# KiCad board solar-module-1u-si.kicad_pcb
title: OreSat Solar Module - Silicon Cells + MCXN; date: 2025-09-23; rev: 1.1
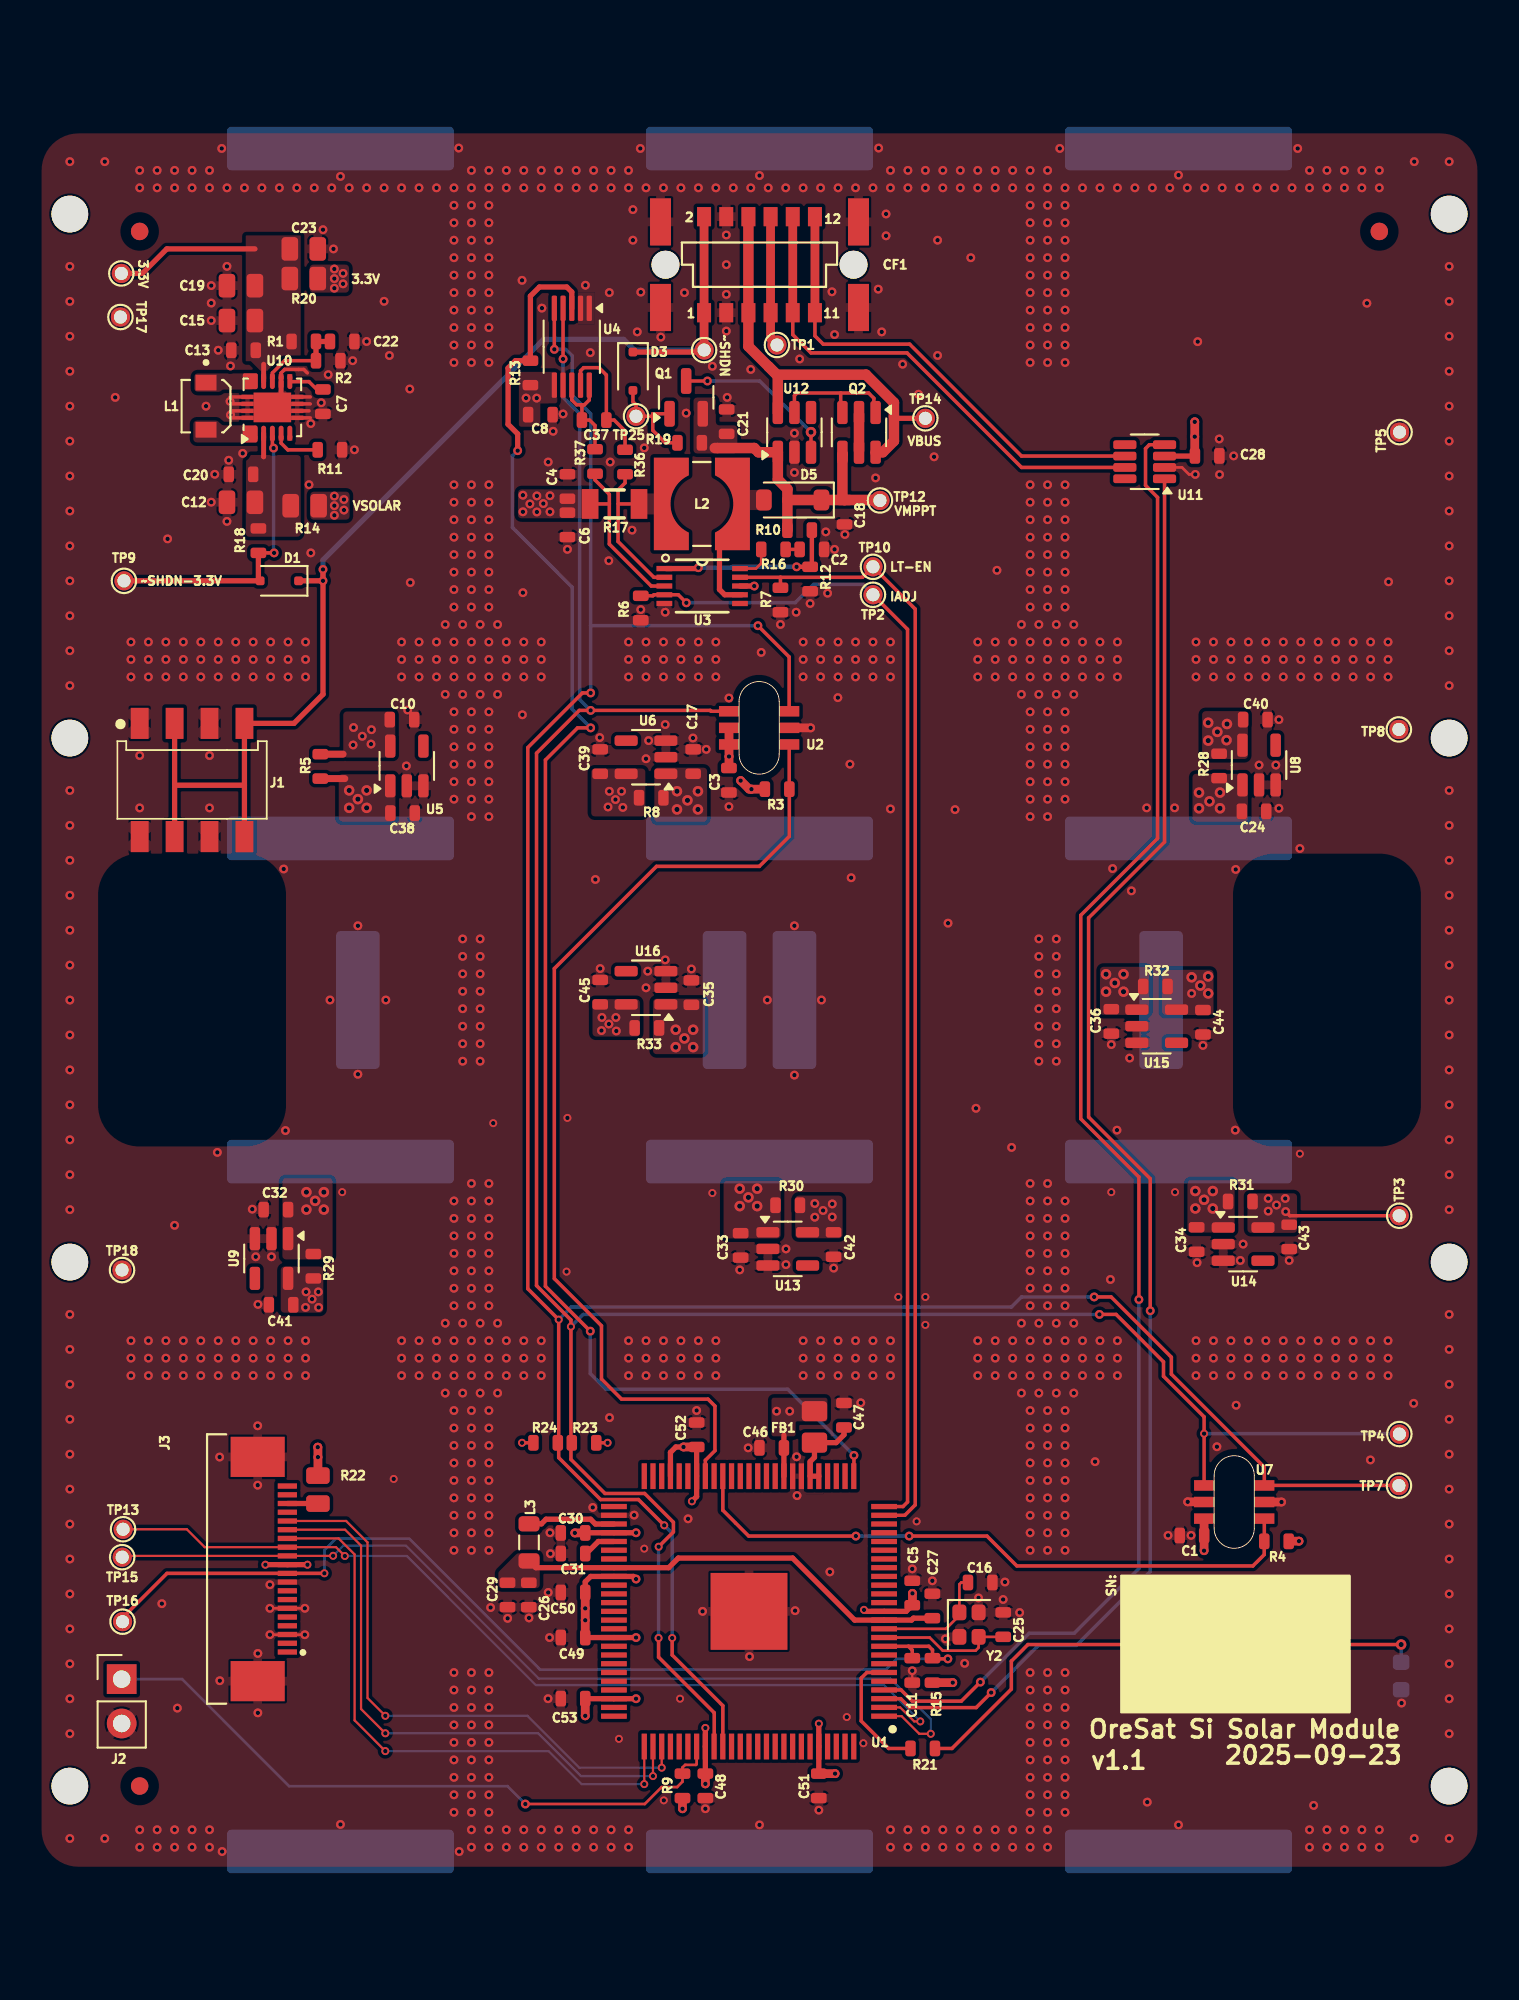
[diagram p0: board, top side]
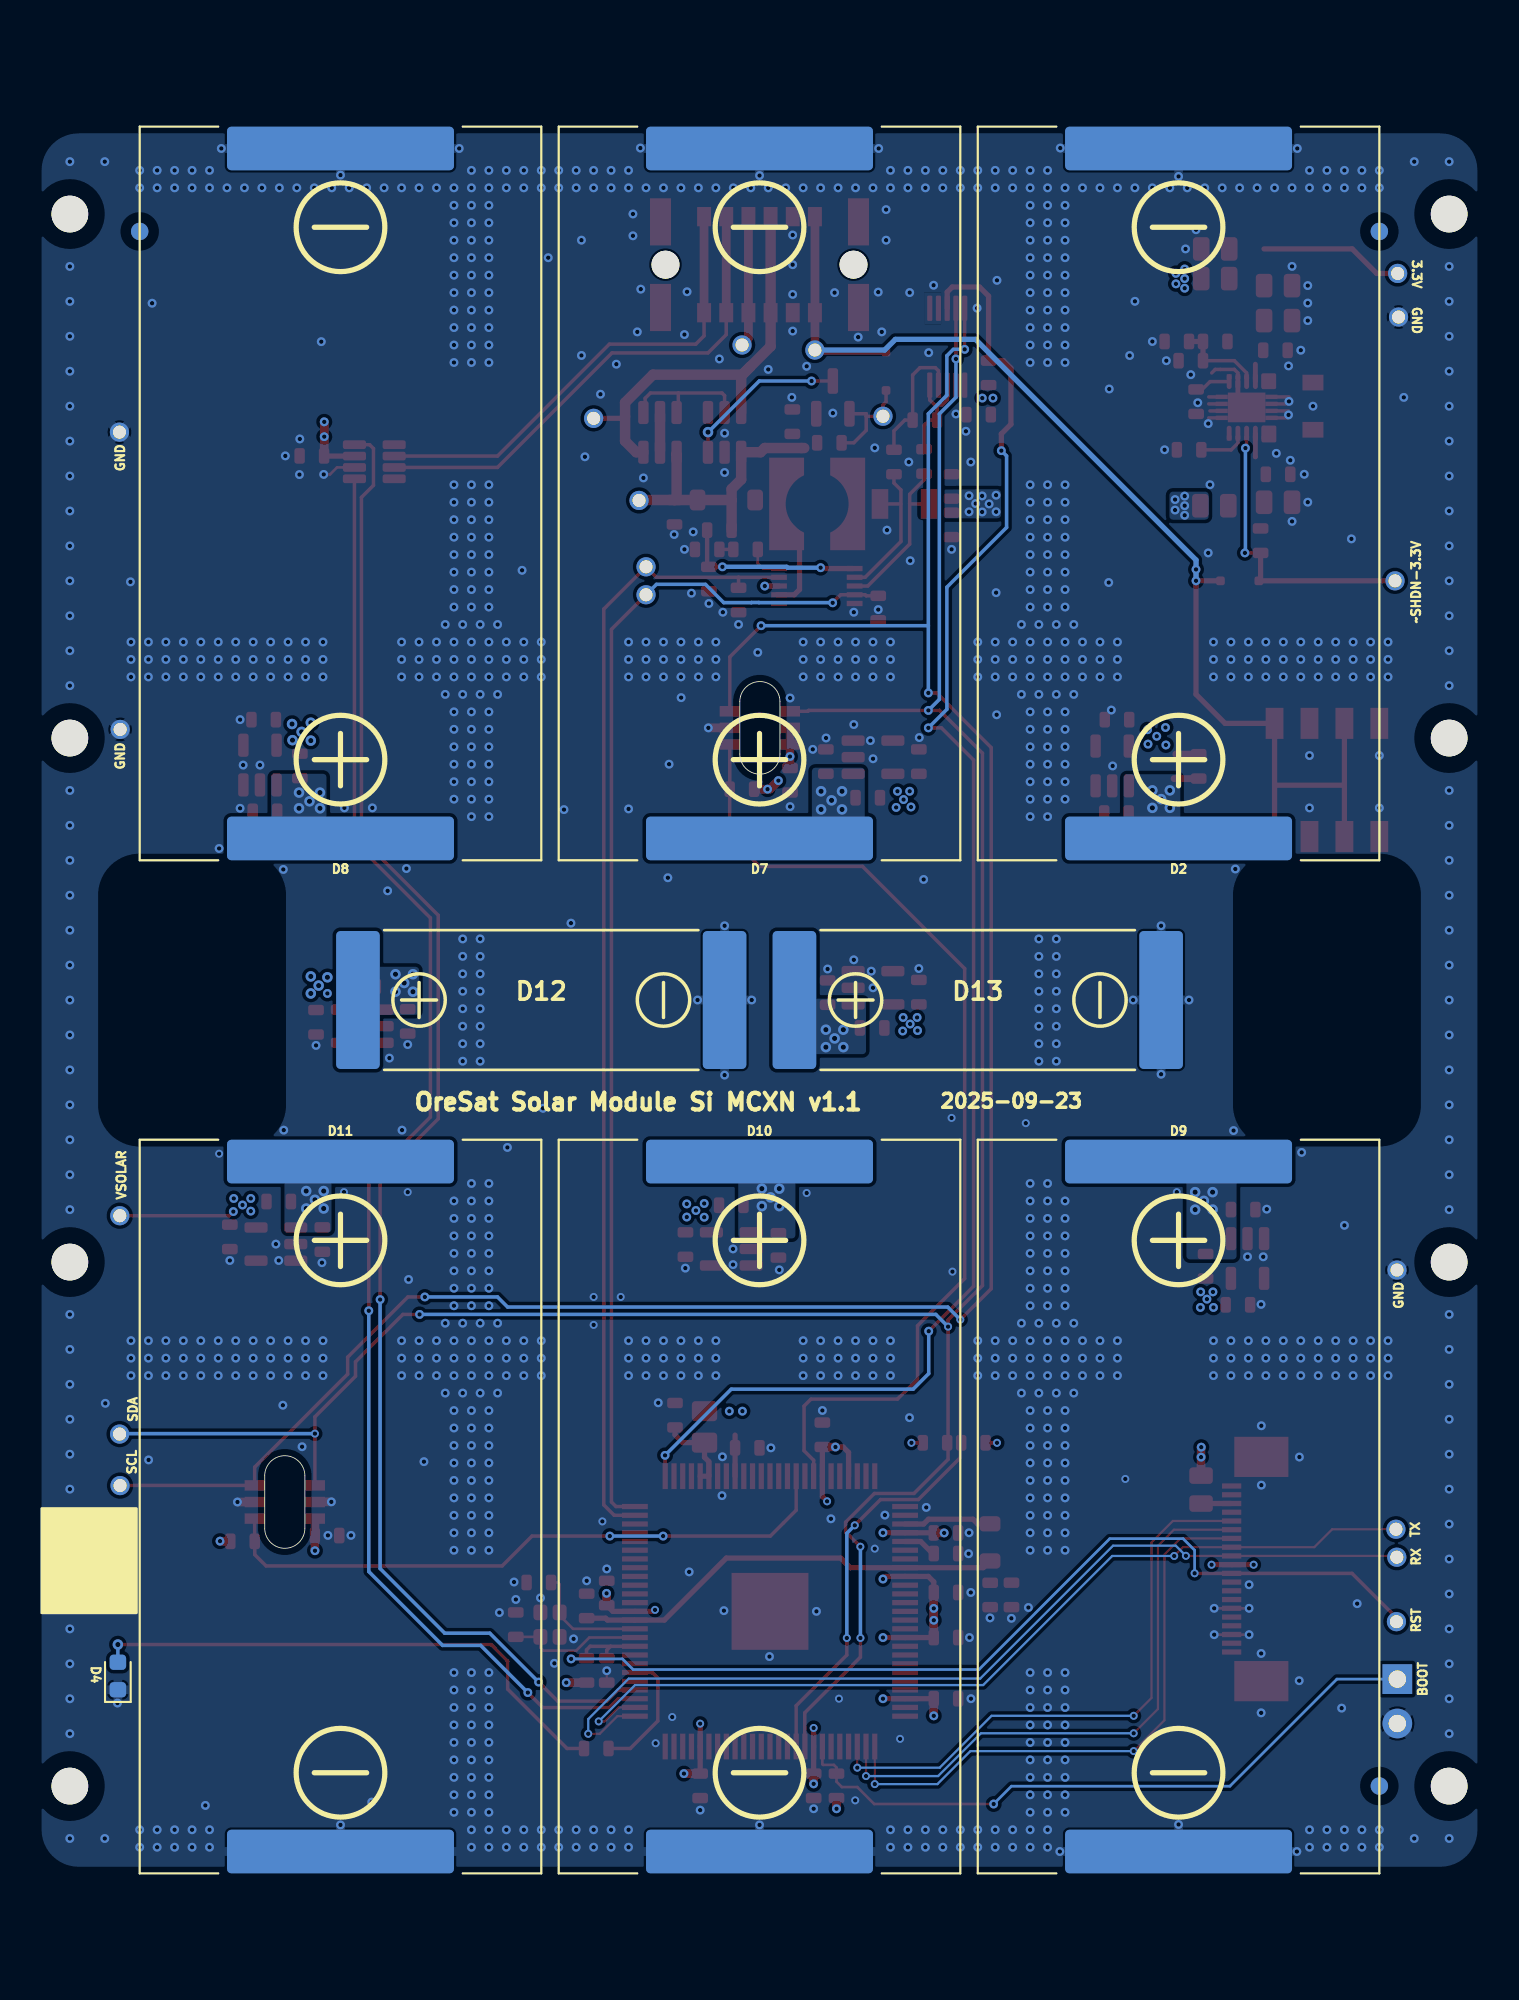
[diagram p1: board, bottom side, seen from below]

Outline 83 x 100 mm; copper layers: Top, In1.Cu, In2.Cu, Bottom. Coordinates in mm from the lower left corner of the outline.
Stack: Top 0.0432mm / dielectric 0.2021mm FR408-HR er 3.69 / In1.Cu 0.0175mm / dielectric 1.1938mm FR408-HR er 3.69 / In2.Cu 0.0175mm / dielectric 0.2021mm FR408-HR er 3.69 / Bottom 0.0432mm

## Placement (name value [footprint] x y rotation side)
C1  100n  [0603-C-NOSILK]  66.27 19.34 180 top
C2  10n  [0603-C-NOSILK]  44.5 75.8 0 top
C3  100n  [0603-C-NOSILK]  39.75 62.58 270 top
C4  10u  [0603-C-NOSILK]  30.5 79.4 90 top
C5  100n  [0603-C-NOSILK]  50.25 16.05 90 top
C6  100n  [0603-C-NOSILK]  30.5 77.2 270 top
C7  100n  [0603-C-NOSILK]  16.49 84.26 270 top
C8  100n  [0603-C-NOSILK]  28.95 83.51 0 top
C10  4.7u  [0603-C-NOSILK]  21.02 66.05 0 top
C11  100n  [0603-C-NOSILK]  50.25 11.62 270 top
C12  10u  [0805-C-NOSILK]  11.8 78.5 180 top
C13  10u  [0603-C-NOSILK]  11.95 87.2 180 top
C15  22u  [0805-C-NOSILK]  11.8 88.9 180 top
C16  4.7p  [0603-C-NOSILK]  54.14 16.66 0 top
C17  1u  [0603-C-NOSILK]  37.7 63.65 90 top
C18  4.7u  [0603-C-NOSILK]  46.37 77.93 270 top
C19  22u  [0805-C-NOSILK]  11.8 90.9 180 top
C20  10u  [0603-C-NOSILK]  11.8 80.1 180 top
C21  100n  [0603-C-NOSILK]  39.62 83.11 90 top
C22  10p  [0603-C-NOSILK]  17.6 87.7 0 top
C23  22u  [0805-C-NOSILK]  15.4 93 0 top
C24  1u  [0603-C-NOSILK]  69.82 60.8 0 top
C25  4.7p  [0603-C-NOSILK]  55.46 14.24 90 top
C26  100n  [0603-C-NOSILK]  28.29 15.94 270 top
C27  4.7u  [0603-C-NOSILK]  51.4 15.31 90 top
C28  100n  [0603-C-NOSILK]  67.14 81.15 0 top
C29  6.8u  [0603-C-NOSILK]  27.07 15.94 270 top
C30  4.7u  [0603-C-NOSILK]  30.82 19.49 180 top
C31  2.2u  [0603-C-NOSILK]  30.82 18.31 180 top
C32  1u  [0603-C-NOSILK]  13.8 38 180 top
C33  1u  [0603-C-NOSILK]  40.42 35.95 270 top
C34  1u  [0603-C-NOSILK]  66.54 36.29 270 top
C35  1u  [0603-C-NOSILK]  37.6 50.43 90 top
C36  1u  [0603-C-NOSILK]  61.65 48.78 270 top
C37  100n  [0603-C-NOSILK]  32.03 83.2 0 top
C38  1u  [0603-C-NOSILK]  21.06 60.71 0 top
C39  4.7u  [0603-C-NOSILK]  32.37 63.65 90 top
C40  4.7u  [0603-C-NOSILK]  69.9 66.05 0 top
C41  4.7u  [0603-C-NOSILK]  14.1 32.55 180 top
C42  4.7u  [0603-C-NOSILK]  45.74 36 270 top
C43  4.7u  [0603-C-NOSILK]  71.84 36.44 270 top
C44  4.7u  [0603-C-NOSILK]  66.9 48.73 270 top
C45  4.7u  [0603-C-NOSILK]  32.37 50.45 90 top
C46  100n  [0603-C-NOSILK]  42.2 24.36 180 top
C47  1u  [0603-C-NOSILK]  46.34 26.23 90 top
C48  100n  [0603-C-NOSILK]  38.4 5.01 270 top
C49  100n  [0603-C-NOSILK]  30.82 13.5 180 top
C50  100n  [0603-C-NOSILK]  30.82 16.08 180 top
C51  100n  [0603-C-NOSILK]  44.9 5.01 270 top
C52  100n  [0603-C-NOSILK]  37.9 25.11 90 top
C53  100n  [0603-C-NOSILK]  30.82 10 180 top
CF1  M55-6021242R  [J-Harwin-M55-60X1242R]  41.5 92.1 0 top
D1  1N4151WS  [D_SOD-323F]  14 74 180 top
D2  -  [KXOB101K08TF]  17.5 79 90 bottom
D3  1N4151WS  [D_SOD-323F]  34.25 86 270 top
D4  AMBER  [LED_0603_1608Metric]  78.25 11.3 90 bottom
D5  NRVB130LSFT1G  [D_SOD-123]  43.4 78.63 180 top
D7  -  [KXOB101K08TF]  41.5 79 90 bottom
D8  -  [KXOB101K08TF]  65.5 79 90 bottom
D9  -  [KXOB101K08TF]  17.5 21 270 bottom
D10  -  [KXOB101K08TF]  41.5 21 270 bottom
D11  -  [KXOB101K08TF]  65.5 21 270 bottom
D12  -  [KXOB2502X8TF]  54 50 180 bottom
D13  -  [KXOB2502X8TF]  29 50 180 bottom
FB1  120 ohm  [0805-B-NOSILK]  44.65 25.56 270 top
FID1  Fiducial  [Fiducial_1mm_Mask2mm]  6 94 0 top
FID2  Fiducial  [Fiducial_1mm_Mask2mm]  77 94 0 top
FID3  Fiducial  [Fiducial_1mm_Mask2mm]  6 5 0 top
FID4  Fiducial  [Fiducial_1mm_Mask2mm]  6 94 0 bottom
FID5  Fiducial  [Fiducial_1mm_Mask2mm]  77 94 0 bottom
FID6  Fiducial  [Fiducial_1mm_Mask2mm]  6 5 0 bottom
J1  MMS-104-01-[F/L]-SH  [SAMTEC-MMS-104-02-X-SH]  9 62.6 0 top
J2  Conn_01x02  [PinHeader_1x02_P2.54mm_Vertical]  4.97 11.12 0 top  (not fitted)
J3  OreSat Debug  [J-TE-2-1734592-0]  12.76 17.43 90 top
L1  1u  [IND_1226AS-H-1R0N=P2]  9.8 84 270 top
L2  10u  [744042100]  38.2 78.4 0 top
L3  1.5u  [L_0805_2012Metric]  28.3 18.95 90 top
PCB1  ORESAT-SOLAR-BOARD-V1.0-SILICON-CELLS  [ORESAT-SOLAR-BOARD-V4]  0 0 0 top
Q1  NTR4101P  [SOT-23]  37.3 84.5 90 top
Q2  DMP2240UDM-7  [SOT-23-6]  47.2 82.5 270 top
R1  560k  [0603-C-NOSILK]  15.4 87.7 180 top
R2  100k  [0603-C-NOSILK]  16.8 86.6 180 top
R3  10k  [0603-C-NOSILK]  42.51 62.07 180 top
R4  10k  [0603-C-NOSILK]  71.11 19.01 0 top
R5  0  [0603-C-NOSILK]  16.35 63.38 90 top  (not fitted)
R6  100k  [0603-C-NOSILK]  34.7 72.44 270 top
R7  100k  [0603-C-NOSILK]  42.7 72.9 270 top
R8  0  [0603-C-NOSILK]  35.3 61.58 180 top  (not fitted)
R9  10k  [0603-C-NOSILK]  37.09 5.01 270 top
R10  82.5k  [0603-C-NOSILK]  43.8 76.9 180 top
R11  10k  [0603-C-NOSILK]  16.9 81.5 180 top
R12  14.7k  [0603-C-NOSILK]  44.4 74.1 90 top
R13  10k  [0603-C-NOSILK]  28.38 85.9 270 top
R14  0  [0805-C-NOSILK]  15.45 78.3 0 top
R15  10k  [0603-C-NOSILK]  51.41 11.62 270 top
R16  2k  [0603-C-NOSILK]  42.3 75.8 180 top
R17  100m  [1206-C]  33.2 78.4 0 top
R18  100k  [0603-C-NOSILK]  12.8 76.3 90 top
R19  100k  [0603-C-NOSILK]  37.5 81.9 0 top
R20  0  [0805-C-NOSILK]  15.4 91.3 180 top
R21  2k  [0603-C-NOSILK]  50.85 7.15 0 top
R22  0  [0805-C-NOSILK]  16.21 21.97 90 top
R23  4.7k  [0603-C-NOSILK]  31.45 24.65 0 top
R24  4.7k  [0603-C-NOSILK]  29.25 24.65 180 top
R28  0  [0603-C-NOSILK]  67.82 63.4 90 top  (not fitted)
R29  0  [0603-C-NOSILK]  15.95 34.76 270 top  (not fitted)
R30  0  [0603-C-NOSILK]  43.12 38.25 0 top  (not fitted)
R31  0  [0603-C-NOSILK]  69.04 38.47 0 top  (not fitted)
R32  0  [0603-C-NOSILK]  64.17 50.78 0 top  (not fitted)
R33  0  [0603-C-NOSILK]  35.05 48.4 180 top  (not fitted)
R36  10  [0603-C-NOSILK]  33.8 80.8 90 top
R37  10  [0603-C-NOSILK]  32.08 80.83 270 top
TP1  TEST-POINT-LARGE-SQUARE  [TestPoint-0.75mm-th]  42.5 87.5 90 top
TP2  TEST-POINT-LARGE-SQUARE  [TestPoint-0.75mm-th]  48 73.2 0 top
TP3  TEST-POINT-LARGE-SQUARE  [TestPoint-0.75mm-th]  78.14 37.65 0 top
TP4  Test-Point  [TestPoint-0.75mm-th]  78.15 25.15 0 top
TP5  TEST-POINT-LARGE-SQUARE  [TestPoint-0.75mm-th]  78.16 82.51 0 top
TP6  TEST-POINT-LARGE-SQUARE  [TestPoint-0.75mm-th]  4.95 91.6 180 top
TP7  Test-Point  [TestPoint-0.75mm-th]  78.12 22.2 0 top
TP8  TEST-POINT-LARGE-SQUARE  [TestPoint-0.75mm-th]  78.12 65.49 0 top
TP9  TEST-POINT-LARGE-SQUARE  [TestPoint-0.75mm-th]  5.1 74 0 top
TP10  TEST-POINT-LARGE-SQUARE  [TestPoint-0.75mm-th]  48 74.8 0 top
TP11  TEST-POINT-LARGE-SQUARE  [TestPoint-0.75mm-th]  38.33 87.21 0 top
TP12  TEST-POINT-LARGE-SQUARE  [TestPoint-0.75mm-th]  48.4 78.6 0 top
TP13  Test-Point  [TestPoint-0.75mm-th]  5.05 19.7 0 top
TP14  TEST-POINT-LARGE-SQUARE  [TestPoint-0.75mm-th]  51 83.3 0 top
TP15  Test-Point  [TestPoint-0.75mm-th]  5 18.1 0 top
TP16  Test-Point  [TestPoint-0.75mm-th]  5.02 14.41 0 top
TP17  TEST-POINT-LARGE-SQUARE  [TestPoint-0.75mm-th]  4.9 89.1 0 top
TP18  TEST-POINT-LARGE-SQUARE  [TestPoint-0.75mm-th]  4.99 34.54 0 top
TP25  TEST-POINT-LARGE-SQUARE  [TestPoint-0.75mm-th]  34.43 83.42 270 top
U1  MCXN947VKLT  [MCXN947KVLT-QFP50P1600X1600X160-101N]  40.9 15 180 top
U2  TMP101NA/3KSLOTTED  [DBV6-SLOT]  41.48 65.58 0 top
U3  LT1618EMSTRPBF  [MSOP-10_MS]  38.22 73.7 0 top
U4  INA226  [VSSOP-10_3x3mm_P0.5mm]  30.75 87.4 270 top
U5  LTC4411  [TSOT-23-5]  21.3 63.4 90 top
U6  LTC4411  [TSOT-23-5]  35 63.9 180 top
U7  TMP101NA/3KSLOTTED  [DBV6-SLOT]  68.69 21.26 0 top
U8  LTC4411  [TSOT-23-5]  70.11 63.45 90 top
U9  LTC4411  [TSOT-23-5]  13.55 35.2 270 top
U10  TPS63060DSCR  [Texas_S-PWSON-N10]  13.6 83.93 90 top
U11  TCAN330  [SOT-23-8]  63.56 80.82 180 top
U12  LTC4412  [TSOT-23-6]  43.5 82.5 90 top
U13  LTC4411  [TSOT-23-5]  43.12 35.75 0 top
U14  LTC4411  [TSOT-23-5]  69.2 36.03 0 top
U15  LTC4411  [TSOT-23-5]  64.25 48.5 0 top
U16  LTC4411  [TSOT-23-5]  35 50.7 180 top
Y2  24 MHz  [Crystal_SMD_2016-4Pin_2.0x1.6mm]  53.5 14.24 270 top

## Library data of the parts
C1 C3 C6-C8 C21 C26 C28 C37 = -: Datasheet: https://mm.digikey.com/Volume0/opasdata/d220001/medias/docus/1068/TMK107BJ104KAHT_SS.pdf; Description: 100 nF (0.1µF) ±10% 25V Ceramic Capacitor X5R 0603 (1608 Metric); DIS: DigiKey; DPN: 587-3472-1-ND; MFR: Taiyo Yuden; MPN: TMK107BJ104KAHT; ki_fp_filters: C_*
C2 = -: Datasheet: https://mm.digikey.com/Volume0/opasdata/d220001/medias/docus/2313/ESD_COG_Dielectric.pdf; Description: 10 nF (10000pF) ±10% 50V Ceramic Capacitor X7R 0603 (1608 Metric); DIS: DIgiKey; DPN: 399-14102-1-ND; MFR: KEMET; MPN: C0603C103J3GECAUTO; ki_fp_filters: C_*
C4 C13 C20 = -: Datasheet: https://search.murata.co.jp/Ceramy/image/img/A01X/G101/ENG/GRT188R61C106KE13-01.pdf; Description: 10 µF ±10% 16V Ceramic Capacitor X5R 0603 (1608 Metric); DIS: DIgiKey; DPN: 490-12317-1-ND; MFR: Murata Electronics; MPN: GRT188R61C106KE13D; ki_fp_filters: C_*
C5 C11 C46 C48-C53 = -: Datasheet: https://mm.digikey.com/Volume0/opasdata/d220001/medias/docus/1068/TMK107BJ104KAHT_SS.pdf; Description: 100 nF (0.1µF) ±10% 25V Ceramic Capacitor X5R 0603 (1608 Metric); MFR: Taiyo Yuden; MPN: TMK107BJ104KAHT; DIS: DigiKey; DPN: 587-3472-1-ND; ki_fp_filters: C_*
C10 C18 C27 C39-C45 = -: Datasheet: https://mm.digikey.com/Volume0/opasdata/d220001/medias/docus/727/EMK107BBJ475KAHT_SS.pdf; Description: 4.7 µF ±10% 16V Ceramic Capacitor X5R 0603 (1608 Metric); DIS: DigiKey; DPN: 587-4332-1-ND; MFR: Taiyo Yuden; MPN: EMK107BBJ475KAHT; ki_fp_filters: C_*
C12 = -: Datasheet: https://search.murata.co.jp/Ceramy/image/img/A01X/G101/ENG/GRT21BC71E106KE13-01.pdf; Description: 10 µF ±10% 25V Ceramic Capacitor X7S 0805 (2012 Metric); DIS: DIgiKey; DPN: 490-GRT21BC71E106KE13LCT-ND; MFR: Murata Electronics; MPN: GRT21BC71E106KE13L; ki_fp_filters: C_*
C15 C19 C23 = -: Datasheet: https://search.murata.co.jp/Ceramy/image/img/A01X/G101/ENG/GRM21BR61E226ME44-01.pdf; Description: 22 µF ±20% 25V Ceramic Capacitor X5R 0805 (2012 Metric); DIS: DigiKey; DPN: 490-9959-1-ND; MFR: Murata Electronics; MPN: GRM21BR61E226ME44L; ki_fp_filters: C_*
C16 = -: Datasheet: https://search.murata.co.jp/Ceramy/image/img/A01X/G101/ENG/GRM1885C1H4R7WA01-01A.pdf; Description: 4.7 pF ±0.05pF 50V Ceramic Capacitor C0G, NP0 0603 (1608 Metric); MFR: Murata; MPN: GRM1885C1H4R7WA01D; DIS: DigiKey; DPN: 490-GRM1885C1H4R7WA01DCT-ND; ki_fp_filters: C_*
C17 C24 C32-C36 C38 = -: Datasheet: https://mm.digikey.com/Volume0/opasdata/d220001/medias/docus/1801/TMK107BJ105KAHT_SS.pdf; Description: 1µF ±10% 25V Ceramic Capacitor X5R 0603 (1608 Metric); DIS: DigiKey; DPN: 587-3473-1-ND; MFR: Taiyo Yuden; MPN: TMK107BJ105KAHT; ki_fp_filters: C_*
C22 = -: Datasheet: https://search.kemet.com/download/datasheet/C0603C100J5GACAUTO; Description: 10pF ±5% 50V Ceramic Capacitor C0G, NP0 0603 (1608 Metric); DIS: DIgiKey; DPN: 399-6840-1-ND; MFR: KEMET; MPN: C0603C100J5GACAUTO; ki_fp_filters: C_*
C25 = -: Datasheet: https://search.murata.co.jp/Ceramy/image/img/A01X/G101/ENG/GRM1885C1H4R7WA01-01A.pdf; Description: 4.7 pF ±0.05pF 50V Ceramic Capacitor C0G, NP0 0603 (1608 Metric); DIS: DigiKey; DPN: 490-GRM1885C1H4R7WA01DCT-ND; MFR: Murata; MPN: GRM1885C1H4R7WA01D; ki_fp_filters: C_*
C29 = -: Datasheet: https://product.tdk.com/system/files/dam/doc/product/capacitor/ceramic/mlcc/catalog/mlcc_automotive_general_en.pdf; Description: 6.8 µF ±10% 16V Ceramic Capacitor X5R 0805 (2012 Metric); DIS: DigiKey; DPN: 445-12661-1-ND; MFR: TDK Corporation; MPN: CGA4J1X5R1C685K125AC; ki_fp_filters: C_*
C30 = -: Datasheet: https://mm.digikey.com/Volume0/opasdata/d220001/medias/docus/727/EMK107BBJ475KAHT_SS.pdf; Description: 4.7 µF ±10% 16V Ceramic Capacitor X5R 0603 (1608 Metric); MFR: Taiyo Yuden; MPN: EMK107BBJ475KAHT; DIS: DigiKey; DPN: 587-4332-1-ND; ki_fp_filters: C_*
C31 = -: Datasheet: https://ds.yuden.co.jp/TYCOMPAS/ut/download?pn=MCASU105AB7683KFCA01&fileType=CS; Description: 2.2 µF ±20% 25V Ceramic Capacitor X5R 0603 (1608 Metric); MFR: Taiyo Yuden; MPN: TMK107BBJ225MAHT; DIS: DigiKey; DPN: 587-4929-1-ND; ki_fp_filters: C_*
C47 = -: Datasheet: https://mm.digikey.com/Volume0/opasdata/d220001/medias/docus/1801/TMK107BJ105KAHT_SS.pdf; Description: 1µF ±10% 25V Ceramic Capacitor X5R 0603 (1608 Metric); MFR: Taiyo Yuden; MPN: TMK107BJ105KAHT; DIS: DigiKey; DPN: 587-3473-1-ND; ki_fp_filters: C_*
CF1 = -: Datasheet: https://cdn.harwin.com/pdfs/M55-60X.pdf; Description: OreSat Solar Module Connector; DIS: DIgiKey; DPN: 952-3851-2-ND; MFR: Harwin
D1 D3 = -: Datasheet: https://www.vishay.com/docs/85847/1n4151ws.pdf; Description: Diode 50 V 150mA Surface Mount SOD-323; Sim.Device: D; Sim.Pins: 1=K 2=A; DIS: DIgiKey; DPN: 112-1N4151WS-E3-08CT-ND; MFR: Vishay; MPN: 1N4151WS-E3-08; ki_fp_filters: TO-???* *_Diode_* *SingleDiode* D_*
D2 D7-D11 = -: Datasheet: https://waf-e.dubudisk.com/anysolar.dubuplus.com/techsupport@anysolar.biz/O18Azed/DubuDisk/www/Gen3/KXOB101K08TF%20DATA%20SHEET%2020210127.pdf; Description: Monocrystalline Solar Cell 179.6 mW 5.53 V; DIS: DIgiKey; DPN: 2994-KXOB101K08TF-TR-ND; MFR: Anysolar; MPN: KXOB101K08TF-TR
D4 = -: Datasheet: https://www.we-online.com/components/products/datasheet/150060AS75000.pdf; Description: Amber 605nm LED Indication - Discrete 2V 0603 (1608 Metric); DIS: DigiKey; DPN: 732-150060AS75000CT-ND; MFR: Wurth; MPN: 150060AS75000; Sim.Pins: 1=K 2=A; ki_fp_filters: LED* LED_SMD:* LED_THT:*
D5 = -: Datasheet: https://www.onsemi.com/pdf/datasheet/mbr130lsft1-d.pdf; Description: Diode 30 V 1A Surface Mount SOD-123FL; DIS: DIgiKey; DPN: NRVB130LSFT1GOSTR-ND; MFR: OnSemi; ki_fp_filters: TO-???* *_Diode_* *SingleDiode* D_*
D12 D13 = -: Datasheet: https://waf-e.dubudisk.com/anysolar.dubuplus.com/techsupport@anysolar.biz/O18Atf8/DubuDisk/www/Gen3/KXOB25-02X8TF%20DATA%20SHEET%20202012.pdf; Description: Monocrystalline Silicon Solar Cell 26.3 mW 5.53 V thin; DIS: DIgiKey; DPN: KXOB25-02X8TF-TR; MFR: Anysolar; MPN: KXOB25-02X8TF-TR
FB1 = -: Datasheet: https://www.fair-rite.com/wp-content/themes/fair-rite/print_product.php?pid=19226; Description: 120 Ohms @ 100 MHz 1 Signal Line Ferrite Bead 0805 (2012 Metric) 6A 25mOhm; MFR: Fair-Rite; MPN: 2508051217Y6; DIS: DIgiKey; DPN: 1934-1472-1-ND; ki_fp_filters: Inductor_* L_* *Ferrite*
FID1-FID6 = -: Description: Fiducial Marker; ki_fp_filters: Fiducial*
J1 = -: Datasheet: https://mm.digikey.com/Volume0/opasdata/d220001/medias/docus/6129/mms-1xx-02-xxx-xx-xx-xx-x-xx-mkt.pdf; Description: 4 Position Receptacle Connector 0.079" (2.00mm) Surface Mount, Right Angle Gold; DIS: DIgiKey; DPN: MMS-104-02-L-SH-ND; MFR: Samtec; MPN: MMS-104-02-L-SH
J2 = -: Description: Generic connector, single row, 01x02, script generated (kicad-library-utils/schlib/autogen/connector/); ki_fp_filters: Connector*:*_1x??_*
J3 = -: Datasheet: https://www.te.com/usa-en/product-2-1734592-0.datasheet.pdf; Description: 20 Position FPC Connector Contacts, Bottom 0.020" (0.50mm) Surface Mount, Right Angle; MFR: TE; MPN: 2-1734592-0; DIS: DIgiKey; DPN: A100287CT-ND
L1 = -: Datasheet: https://www.murata.com/~/media/webrenewal/products/inductor/chip/tokoproducts/wirewoundferritetypeforpl/m_dem2818c.ashx; Description: 1 µH Shielded Drum Core, Wirewound Inductor 3.7 A 29mOhm Max Nonstandard; DIS: DIgiKey; DPN: 490-14160-2-ND; MFR: Murata; MPN: 1227AS-H-1R0N=P2; ki_fp_filters: Choke_* *Coil* Inductor_* L_*
L2 = -: Datasheet: https://www.we-online.com/components/products/datasheet/744042100.pdf; Description: 10 µH Shielded Drum Core, Wirewound Inductor 1.3 A 150mOhm Max 1919 (4848 Metric); DIS: DIgiKey; DPN: 732-1025-1-ND; MFR: WURTH; MPN: 744042100; ki_fp_filters: Choke_* *Coil* Inductor_* L_*
L3 = -: Datasheet: https://www.bourns.com/docs/product-datasheets/srp2012tma.pdf; Description: 1.5 µH Shielded Inductor 2.9 A 84mOhm Max 0806 (2016 Metric) Flat Wire; MFR: Bourns Inc.; MPN: SRP2012TMA-1R5M; DIS: DIgiKey; DPN: 118-SRP2012TMA-1R5MCT-ND; ki_fp_filters: Choke_* *Coil* Inductor_* L_*
PCB1 = -: MFR: ORESAT BABAAAYYYYY
Q1 = -: Datasheet: http://www.onsemi.com/pub/Collateral/NTR2101P-D.PDF; Description: P-Channel 20V 1.8A (Ta) 420mW (Ta) Surface Mount SOT-23-3 (TO-236); DPN: NTR4101PT1GOSCT-ND; MFR: On Semiconductor; MPN: NTR4101PT1G; DIS: DIgiKey; ki_fp_filters: SOT?23*
Q2 = -: Datasheet: https://www.diodes.com/assets/Datasheets/ds31197.pdf; Description: Mosfet Array 2 P-Channel (Dual) 20V 2A 600mW Surface Mount SOT-26; DIS: DIgiKey; DPN: DMP2240UDMDICT-ND; MFR: Diodes Inc
R1 = -: Datasheet: https://www.seielect.com/catalog/sei-rmcf_rmcp.pdf; Description: 560 kOhms ±1% 0.1W, 1/10W Chip Resistor 0603 (1608 Metric) Automotive AEC-Q200 Thick Film; DIS: DIgiKey; DPN: RMCF0603FT560KTR-ND; MFR: Stackpole Electronics Inc; MPN: RMCF0603FT560K; ki_fp_filters: R_*
R2 R6 R7 R18 R19 = -: Datasheet: https://www.seielect.com/catalog/sei-rmcf_rmcp.pdf; Description: 100 kOhms ±5% 0.1W, 1/10W Chip Resistor 0603 (1608 Metric) Automotive AEC-Q200 Thick Film; DIS: DIgiKey; DPN: RMCF0603FT100KCT-ND; MFR: Stackpole Electronics Inc; MPN: RMCF0603FT100K; ki_fp_filters: R_*
R3 R4 R9 R11 R13 = -: Datasheet: https://www.seielect.com/catalog/sei-rmcf_rmcp.pdf; Description: 10 kOhms ±1% 0.1W, 1/10W Chip Resistor 0603 (1608 Metric) Automotive AEC-Q200 Thick Film; DIS: DigiKey; DPN: RMCF0603FT10K0CT-ND; MFR: Stackpole Electronics Inc; MPN: RMCF0603FT10K0; ki_fp_filters: R_*
R5 R8 R28-R33 = -: Description: 0 Ohms Jumper Chip Resistor 0603 (1608 Metric) Automotive AEC-Q200 Thick Film; DPN: P0.0GTR-ND; MFR: Panasonic; MPN: ERJ-3GEY0R00V; ki_fp_filters: R_*
R10 = -: Datasheet: https://www.seielect.com/catalog/sei-rmcf_rmcp.pdf; Description: 82.5 kOhms ±1% 0.1W, 1/10W Chip Resistor 0603 (1608 Metric) Automotive AEC-Q200 Thick Film; DIS: DIgiKey; DPN: RMCF0603FT82K5TR-ND; MFR: Stackpole Electronics Inc; MPN: RMCF0603FT82K5; ki_fp_filters: R_*
R12 = -: Datasheet: https://www.seielect.com/catalog/sei-rmcf_rmcp.pdf; Description: 14.7 kOhms ±1% 0.1W, 1/10W Chip Resistor 0603 (1608 Metric) Automotive AEC-Q200 Thick Film; DIS: Digi-Key; DPN: RMCF0603FT14K7TR-ND; MFR: Stackpole Electronics Inc; MPN: RMCF0603FT14K7; ki_fp_filters: R_*
R14 R20 R22 = -: Datasheet: https://industrial.panasonic.com/ww/products/pt/general-purpose-chip-resistors/models/ERJ6GEY0R00V; Description: 0 Ohms Jumper Chip Resistor 0805 (2012 Metric) Automotive AEC-Q200 Thick Film; DIS: Digi-Key; DPN: P0.0ATR-ND; MFR: Panasonic; MPN: ERJ-6GEY0R00V; ki_fp_filters: R_*
R15 = -: Datasheet: https://www.seielect.com/catalog/sei-rmcf_rmcp.pdf; Description: 10 kOhms ±1% 0.1W, 1/10W Chip Resistor 0603 (1608 Metric) Automotive AEC-Q200 Thick Film; MFR: Stackpole Electronics Inc; MPN: RMCF0603FT10K0; DIS: DigiKey; DPN: RMCF0603FT10K0CT-ND; ki_fp_filters: R_*
R16 R21 = -: Datasheet: https://www.seielect.com/catalog/sei-rmcf_rmcp.pdf; Description: 2 kOhms ±1% 0.1W, 1/10W Chip Resistor 0603 (1608 Metric) Automotive AEC-Q200 Thick Film; DIS: Digi-Key; DPN: RMCF0603FT2K00TR-ND; MFR: Stackpole Electronics Inc; MPN: RMCF0603FT2K00; ki_fp_filters: R_*
R17 = -: Datasheet: https://www.seielect.com/catalog/sei-csr_csrn.pdf; Description: 100 mOhms ±1% 0.5W, 1/2W Chip Resistor 1206 (3216 Metric) Current Sense Thick Film; DIS: Digi-Key; DPN: CSR1206FTR100CT-ND; MFR: Stackpole; MPN: CSR1206FTR100; ki_fp_filters: R_*
R23 R24 = -: Datasheet: https://www.seielect.com/catalog/sei-rmcf_rmcp.pdf; Description: 4.7 kOhms ±1% 0.1W, 1/10W Chip Resistor 0603 (1608 Metric) Automotive AEC-Q200 Thick Film; DIS: DIgiKey; DPN: RMCF0603FT4K70CT-ND; MFR: Stackpole Electronics Inc; MPN: RMCF0603FT4K70; ki_fp_filters: R_*
R36 R37 = -: Datasheet: https://www.seielect.com/catalog/sei-rmcf_rmcp.pdf; Description: 10 Ohms ±1% 0.1W, 1/10W Chip Resistor 0603 (1608 Metric) Automotive AEC-Q200 Thick Film; DIS: DIgiKey; DPN: RMCF0603FT10R0CT-ND; MFR: Stackpole Electronics Inc; MPN: RMCF0603FT10R0; ki_fp_filters: R_*